# Allegro board reComputer Industrial J201_V1.2.brd (continued)
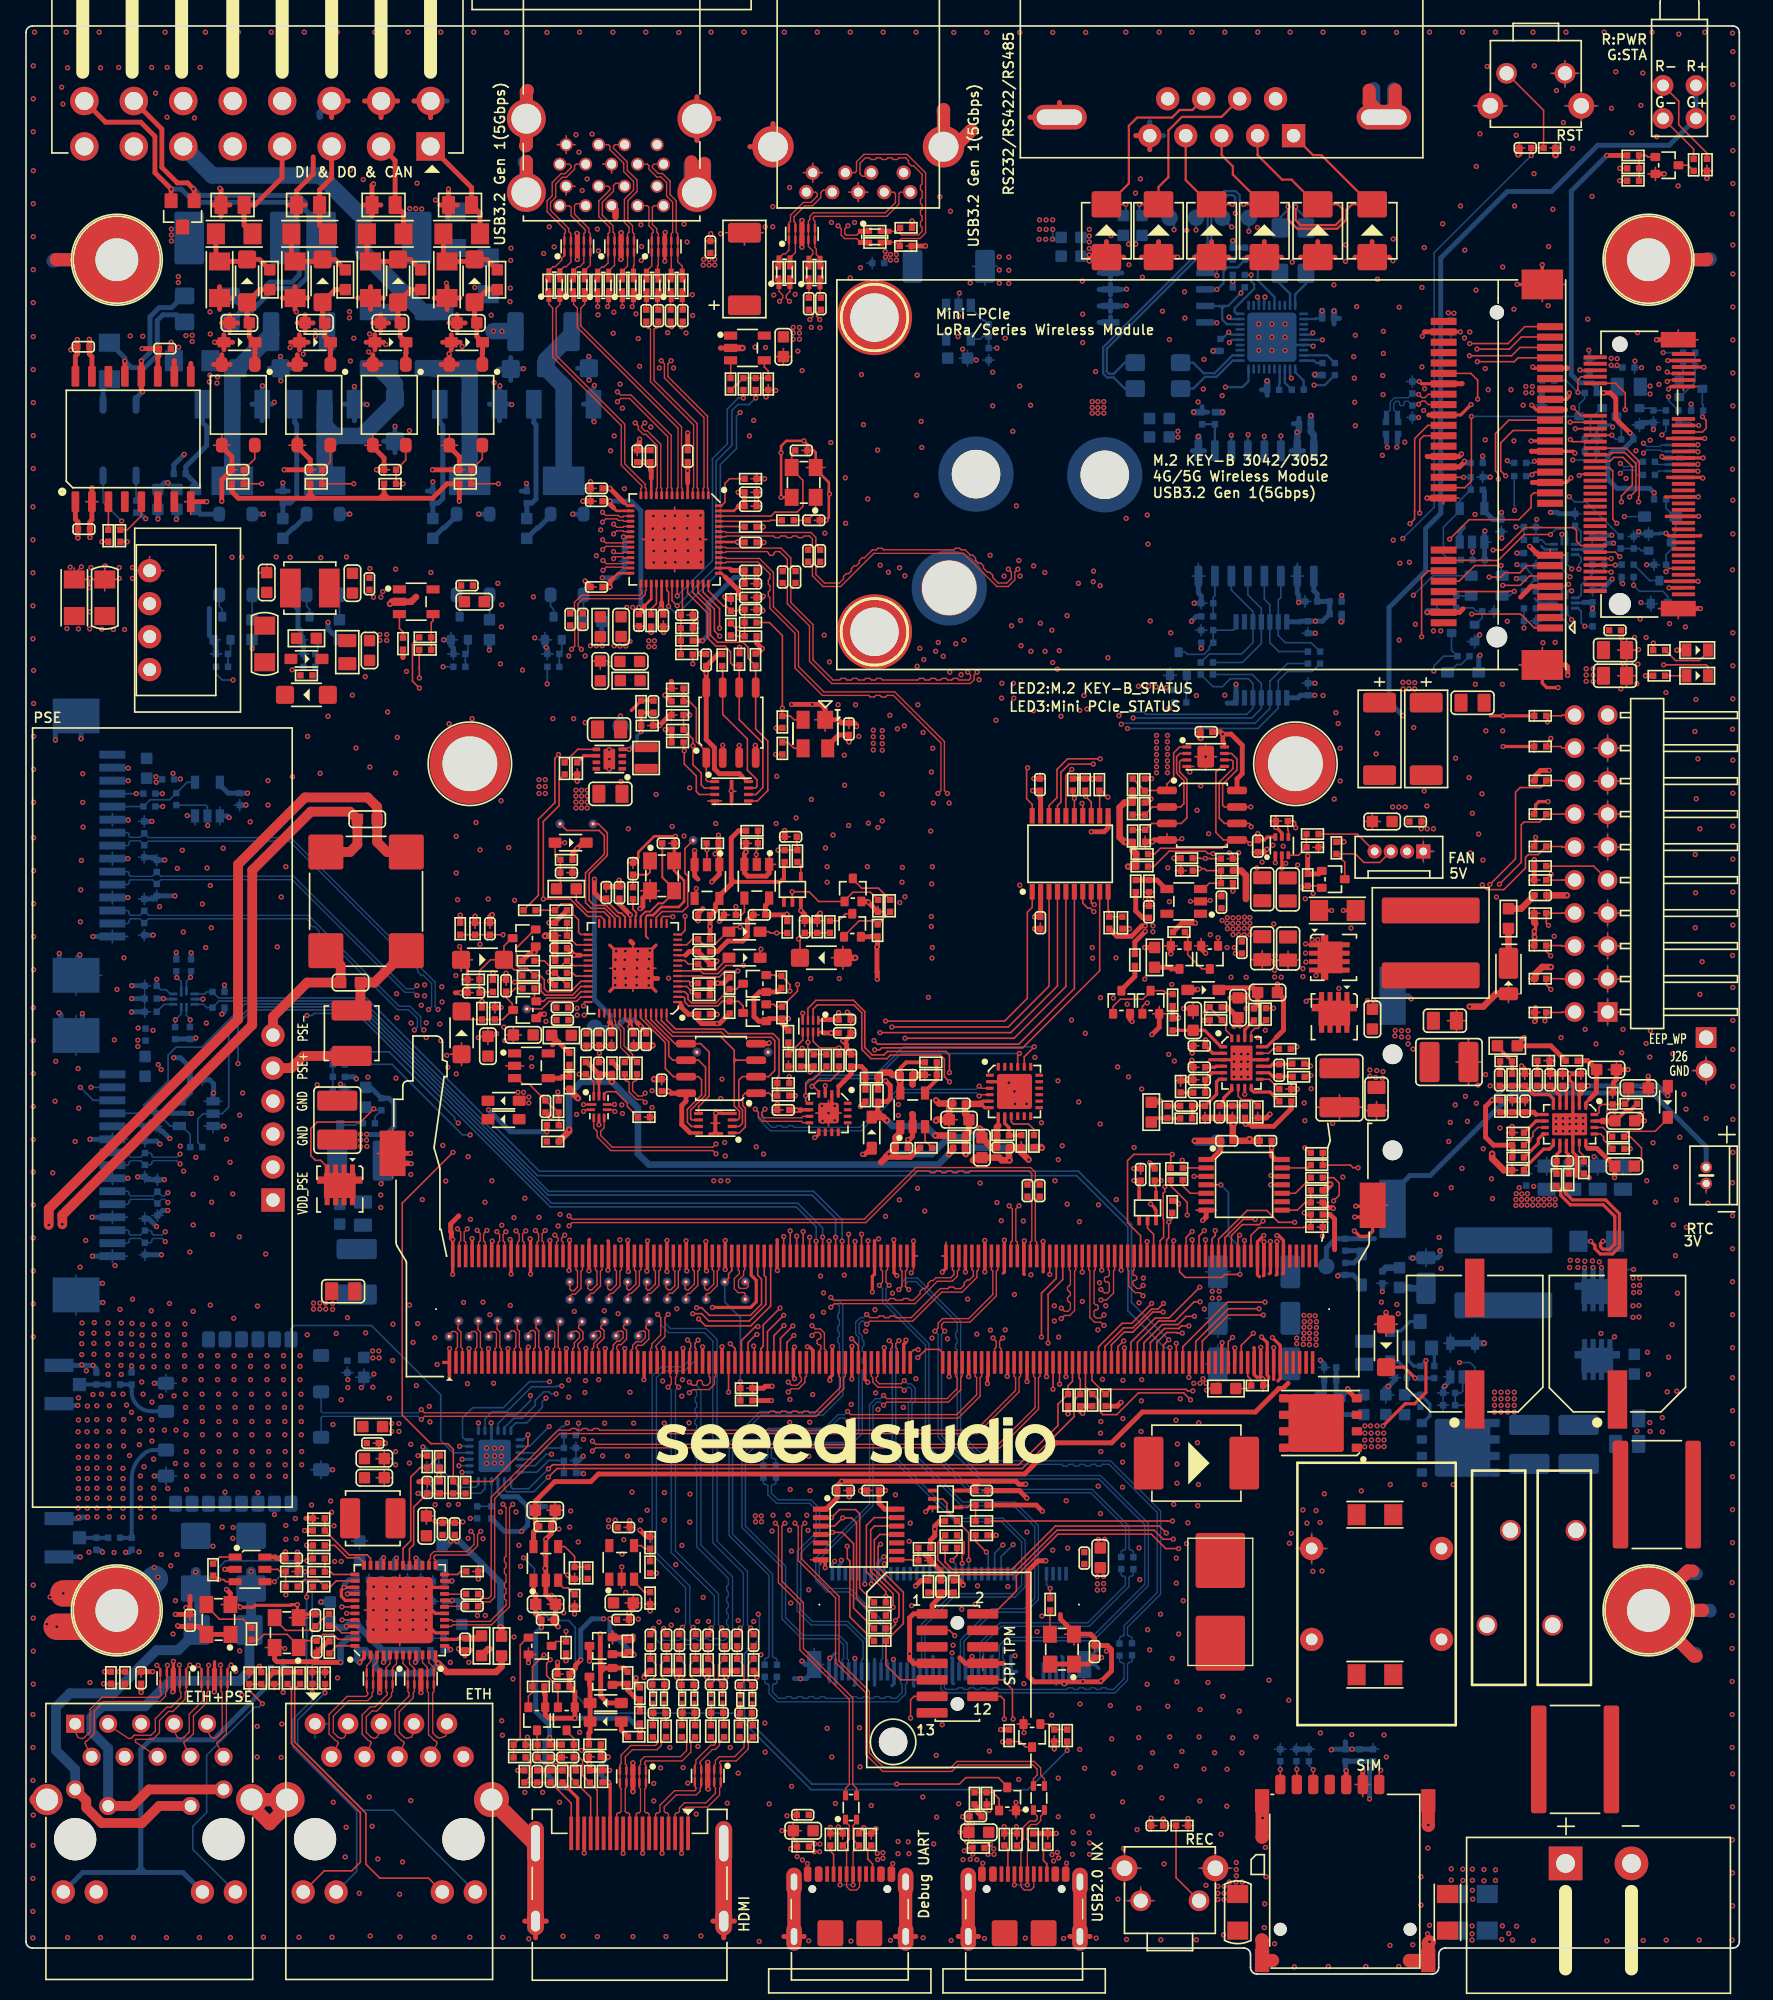
[diagram p0: board, top side]
## Footprints (pads in the part's own frame, mm; a bottom-side part is the same pattern mirrored in y, then rotated) (continued)
SOD_123
  rrect 1.397x1.397 smd: 1(-1.651,0) 2(1.651,0)
SOD_323
  rrect 1x0.8 smd: 1(-1.2,0) 2(1.2,0)
SOIC8_1D27_4_9X3_9MM
  rrect 0.6x1.55 smd: 1(-1.905,-2.7) 2(-0.635,-2.7) 3(0.635,-2.7) 4(1.905,-2.7) 5(1.905,2.7) 6(0.635,2.7) 7(-0.635,2.7) 8(-1.905,2.7)
SOIC16_1R27_10R3X7R5MM
  rrect 0.6x1.6 smd: 1(-4.445,-4.825) 2(-3.175,-4.825) 3(-1.905,-4.825) 4(-0.635,-4.825) 5(0.635,-4.825) 6(1.905,-4.825) 7(3.175,-4.825) 8(4.445,-4.825) 9(4.445,4.825) 10(3.175,4.825) 11(1.905,4.825) 12(0.635,4.825) 13(-0.635,4.825) 14(-1.905,4.825) 15(-3.175,4.825) 16(-4.445,4.825)
SON8P_1D27_5X6X1MM
  rrect 0.8x0.65 smd: 1(-2.802,1.905) 2(-2.802,0.635) 3(-2.802,-0.635) 4(-2.802,-1.905) 5(2.802,-1.905) 6(2.802,-0.635) 7(2.802,0.635) 8(2.802,1.905)
  rrect 4.27x4.46 smd: 9(0.337,0)
SOP4-2_54MM
  rrect 0.91x1.14 smd: 1(-1.27,-3.11) 2(1.27,-3.11) 3(1.27,3.11) 4(-1.27,3.11)
SOP4-2_54MM-S
  oval 0.55x1.45 smd: 1(-1.27,-2.75) 2(1.27,-2.75) 3(1.27,2.75) 4(-1.27,2.75)
SOT6
  rrect 0.6x0.3 smd: 1(-0.74,0.5) 2(-0.74,0) 3(-0.74,-0.5) 4(0.66,-0.5) 5(0.66,0) 6(0.66,0.5)
SOT23
  rrect 1.016x1.143 smd: 1(-0.889,-1.016) 2(0.889,-1.016) 3(0,1.016)
SOT23-5
  rect 0.635x1.016 smd: 1(-0.953,-1.295) 2(0,-1.295) 3(0.953,-1.295) 4(0.953,1.295) 5(-0.953,1.295)
SOT23_6
  rrect 0.55x1.016 smd: 1(-0.95,-1.143) 2(0,-1.143) 3(0.95,-1.143) 4(0.95,1.143) 5(0,1.143) 6(-0.95,1.143)
SOT223_4
  rect 2.2x1.2 smd: 1(-2.95,2.3) 2(-2.95,0) 3(-2.95,-2.3)
  rect 2.2x3.2 smd: 4(2.95,0)
SOT353
  rrect 0.3x0.7 smd: 1(-0.65,-1) 2(0,-1) 3(0.65,-1) 4(0.65,1) 5(-0.65,1)
SOT-323-3
  rrect 0.635x0.762 smd: 1(-0.635,-0.889) 2(0.665,-0.889) 3(0,0.889)
SOT_143
  rect 1.219x1.397 smd: 1(-0.75,-1.1)
  rect 1.016x1.397 smd: 2(0.95,-1.1) 3(0.95,1.1) 4(-0.95,1.1)
SW8P_1D27_6_68X5_4X2_3MM
  rrect 1.4x0.5 smd: 1(-3.65,1.905) 2(-3.65,0.635) 3(-3.65,-0.635) 4(-3.65,-1.905) 5(3.65,-1.905) 6(3.65,-0.635) 7(3.65,0.635) 8(3.65,1.905)
SWITCH4-8X7X7MM
  round 1.6 hole 1.1: 1(-2.25,0.15) 2(2.25,0.15)
  round 2 hole 1.2: 3(-3.5,-2.35) 4(3.5,-2.35)
TERMINAL_2P_5D08
  rect 2.6x2.6 hole 1.45: 1(-2.54,0)
  round 2.6 hole 1.45: 2(2.54,0)
TERMINAL_2X8P_3D81
  rect 2.2x2.2 hole 1.4: 1(-13.335,0)
  round 2.2 hole 1.4: 2(-13.335,-3.5) 3(-9.525,0) 4(-9.525,-3.5) 5(-5.715,0) 6(-5.715,-3.5) 7(-1.905,0) 8(-1.905,-3.5) 9(1.905,0) 10(1.905,-3.5) 11(5.715,0) 12(5.715,-3.5) 13(9.525,0) 14(9.525,-3.5) 15(13.335,0) 16(13.335,-3.5)
TP28C8D
  round 0.45 hole 0.2: 1(0,0)
TP60C_SMD
  round 1.27 smd: 1(0,0)
TSSOP14_0D65_5X4D4X1D2MM
  rrect 0.4x1.2 smd: 1(-1.95,-2.925) 2(-1.3,-2.925) 3(-0.65,-2.925) 4(0,-2.925) 5(0.65,-2.925) 6(1.3,-2.925) 7(1.95,-2.925) 8(1.95,2.925) 9(1.3,2.925) 10(0.65,2.925) 11(0,2.925) 12(-0.65,2.925) 13(-1.3,2.925) 14(-1.95,2.925)
TSSOP20-0_65-6_5X4_4X1MM
  rrect 0.4x1.2 smd: 1(-2.925,-2.925) 2(-2.275,-2.925) 3(-1.625,-2.925) 4(-0.975,-2.925) 5(-0.325,-2.925) 6(0.325,-2.925) 7(0.975,-2.925) 8(1.625,-2.925) 9(2.275,-2.925) 10(2.925,-2.925) 11(2.925,2.925) 12(2.275,2.925) 13(1.625,2.925) 14(0.975,2.925) 15(0.325,2.925) 16(-0.325,2.925) 17(-0.975,2.925) 18(-1.625,2.925) 19(-2.275,2.925) 20(-2.925,2.925)
U-FL3P-SMD-2_6X2_6X1_0MM
  rect 1.016x1.016 smd: 1(1.575,0)
  rect 2.235x1.016 smd: 2(0,1.475) 3(0,-1.475)
UDFN8_0D5_2X3X0_6MM
  rrect 0.25x0.7 smd: 1(-0.75,-1.45) 2(-0.25,-1.45) 3(0.25,-1.45) 4(0.75,-1.45) 5(0.75,1.45) 6(0.25,1.45) 7(-0.25,1.45) 8(-0.75,1.45)
  rrect 1.7x1.3 smd: 9(0,0)
unnamed#2
  round 2.2 hole 2.2 unplated: (0,0)
USB2_0_TYPE_C_LONG
  round 0.6 hole 0.6 unplated: (-1.1,2.89) (-1.1,-2.89)
  rrect 1.2x0.3 smd: A5(0.05,1.25) A6(0.05,0.25) A7(0.05,-0.25) A8(0.05,-1.25) B5(0.05,-1.75) B6(0.05,-0.75) B7(0.05,0.75) B8(0.05,1.75)
  rrect 1.2x0.6 smd: B1(0.05,-3.2) B4(0.05,-2.4) B9(0.05,2.4) B12(0.05,3.25)
  oval 2.2x1.2 hole 1.3x0.5: S1(-4.75,4.3) S2(-0.55,4.3) S3(-4.75,-4.3) S4(-0.55,-4.3)
  rrect 2x2 smd: S5(-4.5,1.5) S6(-4.5,-1.5)
USB3_1_2D0_17_5X13_6X15_69MM
  round 1 hole 0.7: 1(-3.5,2) 2(-1,2) 3(1,2) 4(3.5,2) 5(4,3.5) 6(2,3.5) 7(0,3.5) 8(-2,3.5) 9(-4,3.5) 10(-3.5,5.2) 11(-1,5.2) 12(1,5.2) 13(3.5,5.2) 14(4,6.7) 15(2,6.7) 16(0,6.7) 17(-2,6.7) 18(-4,6.7)
  round 3 hole 2.3: 19(-6.57,5.68) 20(-6.57,0) 21(6.57,0) 22(6.57,5.68)
USB8P_16D5X12D5X12MM
  round 1.1 hole 0.7: 1(3.5,-5.53) 2(1,-5.53) 3(-1,-5.53) 4(-3.5,-5.53) 5(-4,-7.03) 6(-2,-7.03) 7(0,-7.03) 8(2,-7.03) 9(4,-7.03)
  round 3.2 hole 2.3: 10(-6.57,-3.53) 11(6.57,-3.53)
USON8_0D5_3X2X0_6MM
  rrect 0.25x0.7 smd: 1(-0.75,-1.3) 2(-0.25,-1.3) 3(0.25,-1.3) 4(0.75,-1.3) 5(0.75,1.3) 6(0.25,1.3) 7(-0.25,1.3) 8(-0.75,1.3)
  rrect 1.75x0.3 smd: 9(0,0)
USON10_0D5_2D5X1X0D5MM
  oval 0.2x0.7 smd: 1(-1,-0.45) 2(-0.5,-0.45) 4(0.5,-0.45) 5(1,-0.45) 6(1,0.45) 7(0.5,0.45) 9(-0.5,0.45) 10(-1,0.45)
  rrect 0.4x0.7 smd: 3(0,-0.45) 8(0,0.45)
VQFN24_0D5_4X4X1MM
  oval 0.7x0.24 smd: 1(-1.95,1.25) 2(-1.95,0.75) 3(-1.95,0.25) 4(-1.95,-0.25) 5(-1.95,-0.75) 6(-1.95,-1.25) 13(1.95,-1.25) 14(1.95,-0.75) 15(1.95,-0.25) 16(1.95,0.25) 17(1.95,0.75) 18(1.95,1.25)
  oval 0.24x0.7 smd: 7(-1.25,-1.95) 8(-0.75,-1.95) 9(-0.25,-1.95) 10(0.25,-1.95) 11(0.75,-1.95) 12(1.25,-1.95) 19(1.25,1.95) 20(0.75,1.95) 21(0.25,1.95) 22(-0.25,1.95) 23(-0.75,1.95) 24(-1.25,1.95)
  rrect 2.5x2.5 smd: 25(0,0)
VQFN56_0D4_7X7X1MM
  rrect 0.6x0.23 smd: 1(-3.4,2.6) 2(-3.4,2.2) 3(-3.4,1.8) 4(-3.4,1.4) 5(-3.4,1) 6(-3.4,0.6) 7(-3.4,0.2) 8(-3.4,-0.2) 9(-3.4,-0.6) 10(-3.4,-1) 11(-3.4,-1.4) 12(-3.4,-1.8) 13(-3.4,-2.2) 14(-3.4,-2.6) 29(3.4,-2.6) 30(3.4,-2.2) 31(3.4,-1.8) 32(3.4,-1.4) 33(3.4,-1) 34(3.4,-0.6) 35(3.4,-0.2) 36(3.4,0.2) 37(3.4,0.6) 38(3.4,1) 39(3.4,1.4) 40(3.4,1.8) 41(3.4,2.2) 42(3.4,2.6)
  rrect 0.23x0.6 smd: 15(-2.6,-3.4) 16(-2.2,-3.4) 17(-1.8,-3.4) 18(-1.4,-3.4) 19(-1,-3.4) 20(-0.6,-3.4) 21(-0.2,-3.4) 22(0.2,-3.4) 23(0.6,-3.4) 24(1,-3.4) 25(1.4,-3.4) 26(1.8,-3.4) 27(2.2,-3.4) 28(2.6,-3.4) 43(2.6,3.4) 44(2.2,3.4) 45(1.8,3.4) 46(1.4,3.4) 47(1,3.4) 48(0.6,3.4) 49(0.2,3.4) 50(-0.2,3.4) 51(-0.6,3.4) 52(-1,3.4) 53(-1.4,3.4) 54(-1.8,3.4) 55(-2.2,3.4) 56(-2.6,3.4)
  rrect 4.6x4.6 smd: 57(0,0)
WQFN10_0D4_1_8X1_4X0_75MM
  rect 0.22x0.75 smd: 1(-0.2,-0.575)
  rect 0.22x0.65 smd: 2(0.2,-0.625) 6(0.2,0.625) 7(-0.2,0.625)
  rect 0.65x0.22 smd: 3(0.825,-0.4) 4(0.825,0) 5(0.825,0.4) 8(-0.825,0.4) 9(-0.825,0) 10(-0.825,-0.4)
X2SON8_0D4_1_8X1_2X0_4MM
  rrect 0.2x0.7 smd: 1(-0.6,-0.45) 2(-0.2,-0.45) 3(0.2,-0.45) 4(0.6,-0.45) 5(0.6,0.45) 6(0.2,0.45) 7(-0.2,0.45) 8(-0.6,0.45)
X4-SMD-3_2X2_5X1_0MM
  rect 1.321x1.067 smd: 1(-1.15,-0.925) 2(1.15,-0.925) 3(1.15,0.925) 4(-1.15,0.925)

## Nets
1V1_MCU: C79.1 C107.1 C109.1 TP49.1(TP) U23.23 U23.45(VREG_VOUT) U23.50
3V3_LDO: C106.1 FB4.1 R151.1 U26.5(OUT)
3V3_LDO_EN: C132.1 R177.2 R189.2 U26.3
3V3_LS_VCC: C105.1 D94.2(C) R156.1 R418.1 R419.2 R420.2 U24.8(VCCB)
3V3_MCU: C80.1 C84.1 C90.1 C93.1 C98.1 C100.1 C104.1 C108.1 C110.1 C111.1 C121.1 D26.2(C) FB4.2 J8.19 Q9.1 Q14.1 R87.1 R97.1 R100.1 R111.1 R117.2 R126.1 R128.2 R130.1 R135.1 R136.1 R137.1 R140.1 R142.1 R175.1 U20.5 U21.5 U23.1 U23.10 U23.22 U23.33 U23.42 U23.43 U23.44 U23.48 U23.49 U27.8 U28.8
3V3_MCU_FB: R151.2 R168.1 U26.4
3V3_UART: C290.1 R167.1 R414.1 R417.1 R419.1 U52.5(OUT)
3V3_UART_FB: R414.2 R415.1 U52.4
3V3_USB_SWITCH: C117.1 R159.1 R284.1 R417.2 R422.2 U29.9(VCC)
5V_ISO: C14.1 C60.1 C292.1 D19.2(C) R64.2 R68.1 R71.1 R301.1 R405.1 U7.11(VCC2_2) U7.16
12V_DI_1_R: C13.1 D14.1 D18.2(C) Q5.1 R27.2
12V_DI_2_R: C12.1 D13.1 D17.2(C) Q4.1 R25.2
12V_DI_3_R: C11.1 D12.1 D16.2(C) Q3.1 R23.2
12V_DI_4_R: C10.1 D11.1 D15.2(C) Q2.1 R21.2
AVDD12_1V2: C275.1 C279.1 C280.1 FB10.1 U38.4 U38.9 U38.45
AVDDH_2V5: C278.1 C281.1 FB8.1 U38.1 U38.12
GND: C1.2 C2.2 C3.2 C15.2 C17.2 C18.2 C19.2 C20.2 C21.2 C22.2 C23.2 C24.2 C25.2 C26.2 C27.2 C28.2 C29.2 C30.2 C31.2 C34.2 C37.2 C38.2 C39.2 C40.2 C41.2 C42.2 C45.2 C46.2 C47.2 C48.2 C49.2 C50.2 C51.2 C52.1 C53.2 C54.2 C55.2 C56.2 C57.2 C58.2 C61.2 C63.2 C64.2 C65.2 C66.2 C67.2 C68.2 C69.2 C70.2 C71.2 C72.2 C73.2 C74.1 C75.2 C76.2 C77.2 C78.2 C79.2 C80.2 C81.2 C82.2 C83.2 C84.2 C85.2 C86.1 C87.2 C88.2 C89.2 C90.2 C91.2 C92.2 C93.2 C94.2 C96.2 C97.2 C98.2 C99.2 C100.2 C101.2 C102.2 C103.2 C104.2 C105.2 C106.2 C107.2 C108.2 C109.2 C110.2 C111.2 C112.2 C113.2 C114.2 C115.2 C116.2 C117.2 C119.2 C120.2 C121.2 C122.2 C126.2 C127.2 C128.2 C129.2 C130.2 C132.2 C133.2 C134.2 C135.2 C136.2 C137.2 C139.2 C140.1 C146.1 C147.2 C148.2 C149.2 C150.2 C151.1 C152.2 C153.2 C154.2 C155.2 C156.2 C157.2 C158.2 C159.2 C160.2 C161.2 C162.2 C163.2 C164.2 C167.2 C168.2 C169.2 C178.2 C179.2 C180.2 C181.2 C182.2 C183.2 C184.2 C193.2 C194.2 C195.2 C196.2 C197.2 C198.2 C199.2 C200.2 C201.2 C202.2 C203.2 C204.2 C206.2 C207.2 C208.2 C211.2 C214.2 C218.2 C219.2 C220.2 C221.2 C222.2 C223.2 C224.2 C225.2 C226.1 C227.2 C228.2 C229.2 C230.2 C231.2 C232.2 C233.2 C234.2 C235.2 C236.2 C237.2 C238.2 C239.2 C240.2 C241.2 C242.2 C243.2 C244.2 C245.2 C246.2 C249.2 C251.2 C252.2 C253.1 C254.2 C255.2 C256.2 C257.2 C260.2 C262.1 C263.1 C266.2 C267.2 C268.2 C269.2 C270.2 C271.2 C272.2 C273.2 C274.2 C275.2 C278.2 C279.2 C280.2 C281.2 C282.2 C285.2 C286.2 C287.1 C289.2 C290.2 C291.2 C293.2 C294.2 C295.2 C296.2 C297.2 C298.1 C299.1 C300.2 C301.2 C302.2 C305.2 D1.1 D3.1 D10.1 D20.1 D22.1 D23.1 D24.1 D25.1 D27.1 D28.1 D30.1 D32.1 D33.1 D34.1 D35.1 D37.1 D38.1 D42.1 D43.1 D44.1 D45.1 D46.1 D49.1 D50.1 D51.1 D52.1 D53.1 D54.1 D55.1 D56.1 D57.1 D58.1 D59.1 D60.1 D65.1 D66.1 D71.1 D72.1 D73.1 D74.1 D75.1 D76.1 D77.1 D78.1 D79.1 D80.1 D81.1 D82.1 D83.1 D84.1 D85.1 D86.1 D88.1 D90.1 D91.1 D92.1 D93.1 D96.1 D97.1 D98.1 D99.1 D100.1 J3.4 J3.7 J4.4 J4.7 J4.13 J4.16 J5.4 J5.9 J5.15 J5.18 J5.21 J5.26 J5.27 J5.29 J5.34 J5.35 J5.37 J5.40 J5.43 J5.50 J5.53 J5.54 J6.3 J6.5 J6.11 J6.27 J6.33 J6.39 J6.45 J6.51 J6.57 J6.71 J6.73 J6.76 J6.77 J7.1 J8.1 J8.3 J8.5 J8.7 J8.11 J8.13 J8.15 J8.17 J9.1 J9.2 J9.7 J9.8 J9.13 J9.14 J9.19 J9.20 J9.25 J9.26 J9.31 J9.32 J9.37 J9.38 J9.43 J9.44 J9.49 J9.50 J9.55 J9.56 J9.61 J9.62 J9.67 J9.68 J9.73 J9.74 J9.79 J9.80 J9.85 J9.86 J9.102 J9.107 J9.113 J9.119 J9.125 J9.129 J9.132 J9.135 J9.138 J9.141 J9.144 J9.146 J9.147 J9.152 J9.153 J9.158 J9.159 J9.164 J9.165 J9.170 J9.171 J9.176 J9.177 J9.200 J9.201 J9.231 J9.241 J9.242 J9.243 J9.244 J9.245 J9.246 J9.247 J9.248 J9.249 J9.250 J9.261 J9.262 J11.8 J12.1 J14.1 J15.C6 J16.2 J16.5 J16.8 J16.11 J16.17 J18.B1 J18.B12 J19.B1 J19.B12 J20.1 J20.4 J20.7 J20.10 J20.16 J20.17 J21.1 J21.3 J21.9 J21.15 J21.21 J21.27 J21.33 J21.39 J21.45 J21.51 J21.57 J21.71 J21.73 J21.75 J21.76 J21.77 J22.1(BAT-) J23.1 J23.4 J23.7 J23.10 J23.16 J23.17 J24.2 J24.3(SHIELD2) J25.2 J25.3(SHIELD2) J26.2 L14.3 L34.1 MH3.1(NC) MH4.1(NC) MH5.1(NC) MH6.1(NC) MH9.1(NC) MH10.1(NC) MH11.1(NC) OSC1.2 OSC2.2 Q1.2(S) Q2.3(EMITTER) Q3.3(EMITTER) Q4.3(EMITTER) Q5.3(EMITTER) Q7.2(S) Q10.2(S) Q11.2(S) Q12.1 Q12.2 Q12.3 Q18.2(EMITTER) Q19.2(S) Q23.2(EMITTER) Q24.2(S) Q25.2(S) Q26.2(S) Q32.2(S) Q33.2(S) Q38.2(S) Q39.2(S) Q40.2(S) Q41.2(S) Q42.2(S) Q43.1 Q43.2 Q43.3 Q48.2(S) Q49.2(S) Q50.2(S) Q51.2(S) Q52.2(S) R2.2 R43.2 R49.2 R54.2 R56.1 R60.2 R66.2 R72.2 R74.2 R78.2 R83.2 R85.2 R86.2 R88.2 R91.2 R92.2 R94.2 R98.2 R101.2 R106.2 R109.2 R113.2 R116.1 R118.2 R122.2 R125.2 R129.2 R133.2 R145.2 R148.2 R155.2 R160.2 R163.2 R168.2 R170.2 R171.2 R174.2 R178.2 R180.2 R181.2 R182.2 R188.2 R190.2 R197.2 R207.2 R215.2 R222.2 R224.2 R226.2 R230.2 R231.2 R233.2 R236.2 R240.2 R243.2 R257.2 R272.2 R274.2 R275.2 R276.2 R277.2 R281.1 R282.1 R285.2 R289.2 R291.2 R292.2 R297.2 R305.2 R316.2 R319.1 R326.2 R330.1 R335.1 R344.2 R346.2 R347.2 R348.2 R349.2 R360.2 R363.2 R369.2 R372.2 R374.1 R378.2 R379.2 R381.2 R383.2 R387.1 R388.1 R396.2 R397.1 R406.1 R408.2 R415.2 R424.2 R428.1 R430.1 R435.2 R440.2 R448.2 SW1.2 SW1.3 SW1.4(B2) SW2.2 SW2.3 SW2.4(B2) U1.3 U1.8 U2.3 U2.8 U3.3 U3.8 U4.3 U4.8 U5.2 U7.2 U7.8 U8.57 U9.2 U10.1 U11.4 U12.4 U12.9 U13.1 U14.1 U14.3 U14.9 U15.4 U15.9 U16.4 U17.2 U17.5 U18.11 U19.1 U19.3 U20.1 U20.3 U21.3 U22.2 U23.19 U23.57 U24.4 U25.3 U25.14 U25.21 U26.2 U27.4 U27.9 U28.4 U29.4 U30.2 U30.17 U31.3 U31.14 U31.21 U32.3 U32.8 U33.3 U34.3 U35.2 U36.2 U37.2(VSS) U38.15 U38.18 U38.22 U38.49(VSS(EPAD)) U39.3 U39.8 U40.3 U40.8 U41.2 U43.3 U43.8 U44.2 U44.8 U45.4 U46.4 U47.7 U48.4 U49.3 U49.4 U49.5 U50.1 U50.4 U50.14 U51.9 U51.25 U52.2 U53.1 U53.3 U54.2 U54.25 U55.1 U55.3 U56.1 U56.3 U57.7 U58.7 U59.3 U59.8 U60.3 U60.8 U61.3 U61.8 X1.2 X1.4 X2.2 X2.4 X3.2 X3.4
GND_DI: C10.2 C11.2 C12.2 C13.2 D15.1 D16.1 D17.1 D18.1 J2.2 J2.4 J2.6 Q2.2 Q3.2 Q4.2 Q5.2 R6.2 R7.2 R8.2 R9.2 R20.2 R22.2 R24.2 R26.2 R281.2
GND_DO: D61.1 D62.1 D63.1 D64.1 J2.8 J2.10 Q28.3(EMITTER) Q29.3(EMITTER) Q30.3(EMITTER) Q31.3(EMITTER) R311.2 R312.2 R313.2 R314.2 R406.2 R407.2
GND_ISO: C14.2 C52.2 C60.2 C292.2 D2.3 D21.1 D68.1 D95.1 J2.12 R56.2 R68.2 R280.1 R407.1 U7.9 U7.10 U7.15 U10.3(VOUT-)
GND_PSE: C138.2 C145.2 J10.3 J10.4(VIN-#4) L34.2
GND_SHD: C253.2 C287.2 D103.1 D104.1 G1.1 J1.10 J1.11(G2) J3.10 J3.11 J4.19 J4.20 J4.21 J4.22 J13.19 J13.20 J14.15 J14.16 J15.G1 J15.G2 J15.G3 J15.G4 J16.20 J16.21 J16.22 J16.23 J18.S1 J18.S2 J18.S3 J18.S4 J18.S5 J18.S6 J19.S1 J19.S2 J19.S3 J19.S4 J19.S5 J19.S6 MH1.1(NC) MH2.1(NC) MH7.1(NC) MH8.1(NC) R374.2 R387.2
VBUS_A_EN: R40.2 R41.2 R42.2 R440.1 U5.4
VBUSDET: C41.1 R54.1 R58.2 R286.2 U8.37
VCC1_5V_DC1: C128.1 D40.1 R187.1 R192.1 R194.2 U31.2
VCC1_5V_DC2: C112.1 D36.1 R104.1 R176.2 R179.1 U25.2
VCC2_DC1: C120.1 R164.2 U31.1(VCC2)
VCC2_DC2: C103.1 R149.2 U25.1(VCC2)
VDD12_SW_OUT: C270.1 C273.1 C282.1 FB6.2 FB7.2 FB10.2 FB11.2 U38.13 U38.31 U38.40
VDD25_REG_OUT: C157.1 C158.1 C159.1 FB8.2 FB9.2 U38.27
VDD_1V2: C57.1 C62.1 C64.1 FB2.1 L11.2 R70.1 TP46.1(TP)
VDD_1V2_FB: C62.2 R70.2 R74.1 U14.4
VDD_1V2_HUB: C18.1 C19.1 C20.1 C25.1 C31.1 C38.1 C39.1 C48.1 C56.1 C220.1 FB2.2 U8.5 U8.12 U8.15 U8.21 U8.28 U8.33 U8.43 U8.49
VDD_1V8: C67.1 C74.2 C83.1 C86.2 C102.1 C140.2 C151.2 C229.1 C298.2 C299.2 D101.1 Q6.1 Q13.1 Q15.1 R1.1 R44.1 R45.1 R46.1 R47.1 R82.1 R84.1 R89.1 R95.1 R99.1 R103.1 R105.1 R115.1 R134.1 R143.1 R154.2 R213.1 R242.1 R294.1 R295.1 R306.1 R317.1 R331.1 R337.1 R345.1 R399.1 R427.1 R429.1 R433.1 R437.1 R443.1 R447.1 TP47.1(TP) U15.8 U16.8 U17.6(VCCB) U18.2 U22.5(OUT) U24.1 U33.5 U34.5 U47.1 U57.1 U58.1
VDD_1V8_5V: C225.1 C228.1 R334.2 R337.2 R338.1 U44.1 U47.14(VCCB)
VDD_1V8_DISCHG: Q51.3 R443.2
VDD_1V8_FB: R105.2 R106.1 U22.4
VDD_3V3_DISCHG: Q10.3 R127.2
VDD_3V3_HDMI: C163.1 C167.1 C182.1 Q19.1 Q21.1 Q22.1 R225.1 R240.1 R255.1 R256.1 R258.1 R398.2 U35.1(OUT)
VDD_3V3_HUB: C26.1 C27.1 C28.1 C34.1 C37.1 C47.1 C50.1 FB1.2 R58.1 U8.16 U8.31 U8.44 U8.55
VDD_3V3_SYS: C30.1 C51.1 C54.1 C55.1 C58.1 C61.1 C63.1 C65.1 C66.1 C68.1 C77.1 C78.1 C82.1 C89.1 C91.1 C92.1 C156.1 C160.1 C161.1 C162.1 C178.1 C179.1 C183.1 C206.1 C208.1 C211.1 C214.1 C221.1 C224.1 C226.2 C230.1 C231.1 C232.1 C243.1 C244.1 C260.1 C266.1 C267.1 C268.1 C269.1 C271.1 C293.1 C296.1 C297.1 C300.1 C301.1 D94.1 D100.2 FB1.1 FB12.1 FB13.1 J5.2 J5.39 J5.41 J5.52 J6.2 J6.4 J6.70 J6.72 J6.74 J13.15 J13.17 J21.2 J21.4 J21.12 J21.14 J21.16 J21.18 J21.70 J21.72 J21.74 LED2.1 OSC1.1 OSC1.4(VDD) OSC2.1 OSC2.4(VDD) R52.2 R57.1 R61.1 R62.1 R65.2 R69.1 R73.1 R75.1 R79.1 R80.1 R81.1 R102.1 R112.2 R121.1 R127.1 R166.1 R183.1 R195.1 R203.1 R204.1 R205.1 R206.1 R208.1 R209.1 R212.1 R217.1 R219.2 R270.2 R271.2 R293.1 R309.2 R318.1 R325.1 R339.2 R340.1 R341.1 R342.1 R343.1 R358.1 R359.1 R361.1 R362.1 R364.1 R365.1 R380.1 R382.1 R384.1 R385.1 R395.1 R404.1 R412.1 R432.1 R445.1 U7.1 U11.8 U12.8 U13.4(VCC) U18.19(VCCB) U22.1 U35.5 U37.6 U38.28 U38.33 U38.39 U38.41 U45.9(VCC) U46.9(VCC) U48.9(VCC) U50.11 U51.21(VCC) U53.5 U55.5 U56.5 U57.14(VCCB) U58.14(VCCB)
VDD_5V0_HDMI_CON: C164.1 C168.1 D50.2 J16.18 R268.1 R269.1 U36.1(OUT)
VDD_5V_BUS: C45.1 C46.1 L10.1 R304.1 R334.1 U9.1(OUT)
VDD_5V_SYS: C15.1 C49.1 C53.1 C69.1 C70.1 C71.1 C85.1 C154.1 C155.1 C207.1 C233.1 C234.1 C235.1 C236.1 C237.1 C238.1 C240.1 C242.1 D39.1 J7.2 J9.251 J9.252 J9.253 J9.254 J9.255 J9.256 J9.257 J9.258 J9.259 J9.260 LED1.1 LED1.3 R93.1 R120.1 R124.1 R138.1 R149.1 R157.1 R164.1 R199.1 R201.1 R366.2 R442.1 U5.5 U9.5 U14.7 U14.8 U17.1 U19.5 U36.5 U41.5
VDD_DCIN: C97.1 C99.1 C101.1 C114.1 C122.1 C129.1 C136.1 C147.1 C148.1 C252.1 C254.1 C255.1 C256.1 C257.1 C288.1 C289.1 Q8.2(S) Q16.5 Q45.5 Q46.5 Q46.6 Q46.7 Q46.8 Q46.9 Q47.1 Q47.2 Q47.3(S3) R123.2 R141.1 R144.1 R185.1 R377.1 R410.1 U25.19 U31.19
VDD_DO: Q34.4 Q35.4 Q36.4 Q37.4 R404.2 R405.2
VDD_PSE: C138.1 C145.1 J10.1 J10.2 L31.2
VDD_SIM: C285.1 C286.1 D90.2 J15.C5 R328.2 R332.1
VDD_TPM: C146.2 J11.1 J11.7 R432.2 R433.2 R438.1
VDD_VBUS_A: C2.1 C3.1 J4.1 J4.10(VBUS_1) U5.1(OUT)
VDD_VBUS_B: C203.1 C204.1 J3.1(VBUS) U41.1(OUT)
VIN_5V: C42.1 C59.1 L10.2 U10.2
5V_RS232/422/485: C205.2 C215.1 R299.2 R301.2 R304.2 R390.1 R391.1 R392.1 R393.1 R394.1 U42.2 U42.6(VCC#6) U44.16(VCCB)
422_RX(B): L28.1 U42.22
422_RX-: D6.2 J1.4 L28.4
422_TX(B): L26.2 U42.39
422_TX-: D9.2 J1.1 L26.3
1302_RST: C218.1 J5.22 R315.1 R325.2 U53.4(Y)
ADC0: C96.1 D33.2(C) Q9.3 R132.2 R133.1 R138.2
ADC2: C94.1 D38.2(C) Q14.3 R139.2 R144.2 R145.1
AUTO_ON_DIS: J8.9 R397.2
BBAT: D87.2(C) J9.235 R367.1
BBAT_CONN: J12.2 J22.2 R444.2 TP48.1(TP)
BG1: R196.1 U31.15
BG2: R150.1 U25.15
BG_DC1: Q43.4(G) R196.2
BG_DC2: Q12.4(G) R150.2
BMCU_ACOK: C72.1 D27.2 J8.10 R96.1 R97.2 U23.14
BMCU_PGOOD: R110.1 R111.2 U23.29
BMCU_POWER_EN: R87.2 R91.1 U19.2 U23.16
BMCU_PWR_BTN*: D31.1 R130.2 U23.9
BRD_ID_A0: R82.2 R83.1 U15.1 U16.1
BRD_ID_A1: R84.2 R85.1 U15.2 U16.2
BRD_ID_A2: R88.1 R89.2 U15.3 U16.3
BRD_ID_WP: J26.1 R98.1 R437.2 U15.7(WP) U16.7(WP)
BST1: R191.1 U31.18
BST2: R147.1 U25.18
BT_DIS#: U50.17 U51.3
BT_EN: Q25.1 R296.2 R297.1
BUCK_3V3_EN: Q11.1 R77.1 R141.2 R148.1 U20.4(Y) U23.27 U25.20
BUCK_3V3_PG: Q50.1 R63.1 R76.1 R101.1 R102.2 R104.2 R110.2 U22.3 U25.9
BUCK_5V_PG: Q7.1 R109.1 R177.1 R192.2 U21.2 U31.9
CAM0_I2C_SCL: J20.13 R359.2 U48.1
CAM0_I2C_SDA: J20.14 R365.2 U48.7
CAM0_MCLK: D71.2 J9.116 J20.12
CAM0_PWDN: J9.114 R425.1 U55.2
CAM0_PWDN_3V3: D72.2 J20.11 R425.2 U55.4(Y)
CAM1_I2C_SCL: J23.13 R358.2 U48.2
CAM1_I2C_SDA: J23.14 R364.2 U48.6
CAM1_MCLK: D79.2 J9.122 J23.12
CAM1_PWDN: J9.120 R426.1 U56.2
CAM1_PWDN_3V3: D80.2 J23.11 R426.2 U56.4(Y)
CAM_I2C_SCL: J9.213 R361.2 U48.3
CAM_I2C_SDA: J9.215 R362.2 U48.5
CAM_MUX_OE*: R363.1 U48.8
CAM_MUX_SEL: J9.130 R360.1 U48.10
CAN_120R_EN: Q27.2 U51.10
CAN_H: L27.1 R290.1 U7.13
CAN_H_ISO: D2.1 D95.2 J2.14 L27.4
CAN_L: L27.2 Q27.4 U7.12
CAN_L_ISO: D2.2 D68.2 J2.16 L27.3
CAN_RX: J9.143 R50.1
CAN_RXD: R50.2 U7.5
CAN_TX: J9.145 R51.1
CAN_TXD: R51.2 U7.3
CC1_1: J19.A5 R276.1
CC1_2: J18.A5 R274.1
CC2_1: J19.B5 R277.1
CC2_2: J18.B5 R275.1
CCM/AAM_DC1: C135.1 R187.2 R188.1 U31.7
CCM/AAM_DC2: C134.1 R178.1 R179.2 U25.7
CH343_V3: C133.1 R172.1 U30.6
CH343_VIO: C115.1 R167.2 R172.2 U30.1(VIO)
COMP_DC1: C125.1 C126.1 U31.5
COMP_DC2: C119.1 C123.1 U25.5
CP2102_VIO: C294.1 C295.1 R420.1 R421.1 R422.1 U54.5 U54.6
CSI0_CLK_N: D74.2 J9.10 J20.8
CSI0_CLK_P: D73.2 J9.12 J20.9
CSI0_D0_N: D78.2 J9.4 J20.2
CSI0_D0_P: D77.2 J9.6 J20.3
CSI0_D1_N: D76.2 J9.16 J20.5
CSI0_D1_P: D75.2 J9.18 J20.6
CSI1_CLK_N: J9.9 TP42.1(TP)
CSI1_CLK_P: J9.11 TP27.1(TP)
CSI1_D0_N: J9.3 TP41.1(TP)
CSI1_D0_P: J9.5 TP26.1(TP)
CSI1_D1_N: J9.15 TP43.1(TP)
CSI1_D1_P: J9.17 TP28.1(TP)
CSI2_CLK_N: D82.2 J9.28 J23.8
CSI2_CLK_P: D81.2 J9.30 J23.9
CSI2_D0_N: D86.2 J9.22 J23.2
CSI2_D0_P: D85.2 J9.24 J23.3
CSI2_D1_N: D84.2 J9.34 J23.5
CSI2_D1_P: D83.2 J9.36 J23.6
CSI3_CLK_N: J9.27 TP45.1(TP)
CSI3_CLK_P: J9.29 TP30.1(TP)
CSI3_D0_N: J9.21 TP44.1(TP)
CSI3_D0_P: J9.23 TP29.1(TP)
CSI3_D1_N: J9.33 TP36.1(TP)
CSI3_D1_P: J9.35 TP31.1(TP)
CSI4_CLK_N: J9.52 TP10.1(TP)
CSI4_CLK_P: J9.54 TP20.1(TP)
CSI4_D0_N: J9.46 TP9.1(TP)
CSI4_D0_P: J9.48 TP19.1(TP)
CSI4_D1_N: J9.58 TP11.1(TP)
CSI4_D1_P: J9.60 TP21.1(TP)
CSI4_D2_N: J9.40 TP8.1(TP)
CSI4_D2_P: J9.42 TP18.1(TP)
CSI4_D3_N: J9.64 TP12.1(TP)
CSI4_D3_P: J9.66 TP22.1(TP)
CSI5_CLK_N: J9.76 TP14.1(TP)
CSI5_CLK_P: J9.78 TP24.1(TP)
CSI5_D0_N: J9.70 TP13.1(TP)
CSI5_D0_P: J9.72 TP23.1(TP)
CSI5_D1_N: J9.82 TP15.1(TP)
CSI5_D1_P: J9.84 TP25.1(TP)
DCIN_SENSE: C249.1 R377.2 R378.1 U49.2
DCJ_IN: G2.2 J17.1 L14.1 R227.1 R238.1
DEVICE_RESET: D67.2(C) R53.1 R73.2 R210.1 U13.2
DI_1_GPIO01: C24.1 J9.118 Q5.4 R47.2
DI_2_GPIO09: C23.1 J9.211 Q4.4 R46.2
DI_3_GPIO11: C22.1 J9.216 Q3.4 R45.2
DI_4_GPIO13: C21.1 J9.228 Q2.4 R44.2
DI_12V_1: J2.1 R9.1 R14.1
DI_12V_2: J2.3 R8.1 R13.1
DI_12V_3: J2.5 R7.1 R12.1
DI_12V_4: J2.7 R6.1 R11.1
DISCHG_1V8_SYS: Q50.3 Q51.1 R442.2
DISCHG_3V3_SYS: Q10.1 Q11.3 R124.2
DO_1_GPIO: J9.193 R354.1
DO_2_GPIO: J9.195 R355.1
DO_3_GPIO: J9.197 R356.1
DO_4_GPIO: J9.199 R357.1
DO_40V_1: F2.2 J2.9
DO_40V_2: F3.2 J2.11
DO_40V_3: F4.2 J2.13
DO_40V_4: F5.2 J2.15
DP0_HPD: J9.88 R447.2 R448.1 TP16.1(TP)
EEP_EECLK: R221.2 U37.4
EEP_EECS: R231.1 R234.2 U37.5
EEP_EEDIO: R223.2 R229.1 U37.3
EN_1V2: R77.2 U14.5
EN_DC1: C130.1 R181.1 R185.2 U31.20
ETH_LED0: D97.2 J14.12 R235.2
ETH_LED1: D96.2 J14.14(YEL-) R232.2
FAN_PWM: J9.230 R86.1 U17.4
FAN_PWM_Q*: J7.4 R90.2
FAN_TACH: J9.208 Q6.2(S) R103.2
FAN_TACH_CON: J7.3 Q6.3 R93.2
FB_0.8V_DC1: C124.2 R173.2 R174.1 U31.6
FB_0.8V_DC2: C131.2 R180.1 R186.2 U25.6
FORCE_OFF*: C87.1 D29.1 D32.2(C) R118.1 R119.2 R126.2 U23.12
FORCE_RECOVERY*: C200.1 D43.2 D54.2 J9.214 SW2.1
FREQ_DC1: R190.1 U31.8
FREQ_DC2: R182.1 U25.8
GANG_PWR: R52.1 U8.32
GBE_LED_ACT: J9.194 R253.1
GBE_LED_LINK: J9.188 R252.1
GBE_MDI0_N: J9.184 J13.2 U61.4 U61.7
GBE_MDI0_P: J9.186 J13.1 U61.5 U61.6(NC4)
GBE_MDI1_N: J9.190 J13.6 U61.1 U61.10
GBE_MDI1_P: J9.192 J13.3 U61.2 U61.9
GBE_MDI2_N: J9.196 J13.8 U60.4 U60.7
GBE_MDI2_P: J9.198 J13.7 U60.5 U60.6(NC4)
GBE_MDI3_N: J9.202 J13.10 U60.1 U60.10
GBE_MDI3_P: J9.204 J13.9 U60.2 U60.9
GND_RS232/422/485: C205.1 C210.1 C213.1 C215.2 D4.1 D5.1 D6.1 D7.1 D8.1 D9.1 J1.5 R280.2 R282.2 R300.2 SW3.5(B4) SW3.6 SW3.7 SW3.8 U42.7 U42.41 U44.9 U44.15
GPIO0: R234.1 R235.1 U38.38
GPIO1: R223.1 R232.1 U38.37
GPIO2: R221.1 U38.36
GREEN_LED: D98.2 J13.16 R252.2
HDMI_CEC: D47.1 J9.94 Q20.2(S) R254.2
HDMI_CEC_CON: C193.1 D52.2 J16.13 L23.2
HDMI_CEC_Q: D47.2(C) D48.2(C) L23.1 Q20.3
HDMI_DDC_SCL: J9.100 Q22.2(S) R256.2
HDMI_DDC_SCL_5V0: C195.1 D53.2 J16.15 Q22.3 R269.2
HDMI_DDC_SDA: J9.98 Q21.2(S) R255.2
HDMI_DDC_SDA_5V0: C194.1 D51.2 J16.16 Q21.3 R268.2
HDMI_HPD: J9.96 Q18.3 R242.2
HDMI_HPD_CON: C196.1 C197.1 D49.2 J16.19 R259.2
HDMI_TX0_N: C172.1 J9.75
HDMI_TX0_P: C173.1 J9.77
HDMI_TX1_N: C174.1 J9.69
HDMI_TX1_P: C175.1 J9.71
HDMI_TX2_N: C176.1 J9.63
HDMI_TX2_P: C177.1 J9.65
HDMI_TXC_CON_LC_N: C170.2 C185.2 L16.1 R244.2
HDMI_TXC_CON_LC_P: C171.2 C185.1 L17.1 R245.2
HDMI_TXC_CON_N: J16.12 R260.2 U40.5 U40.6(NC4)
HDMI_TXC_CON_P: J16.10 R261.2 U40.4 U40.7
HDMI_TXC_CON_R_N: C191.2 L16.2 R260.1
HDMI_TXC_CON_R_P: C191.1 L17.2 R261.1
HDMI_TXC_N: C170.1 J9.81
HDMI_TXC_P: C171.1 J9.83
HDMI_TXD0_CON_LC_N: C172.2 C187.2 L18.1 R246.2
HDMI_TXD0_CON_LC_P: C173.2 C187.1 L19.1 R247.2
HDMI_TXD0_CON_N: J16.9 R262.2 U40.2 U40.9
HDMI_TXD0_CON_P: J16.7 R263.2 U40.1 U40.10
HDMI_TXD0_CON_R_N: C190.2 L18.2 R262.1
HDMI_TXD0_CON_R_P: C190.1 L19.2 R263.1
HDMI_TXD1_CON_LC_N: C174.2 C186.2 L20.1 R248.2
HDMI_TXD1_CON_LC_P: C175.2 C186.1 L15.1 R249.2
HDMI_TXD1_CON_N: J16.6 R264.2 U39.5 U39.6(NC4)
HDMI_TXD1_CON_P: J16.4 R265.2 U39.4 U39.7
HDMI_TXD1_CON_R_N: C189.2 L20.2 R264.1
HDMI_TXD1_CON_R_P: C189.1 L15.2 R265.1
HDMI_TXD2_CON_LC_N: C176.2 C188.2 L22.1 R250.2
HDMI_TXD2_CON_LC_P: C177.2 C188.1 L21.1 R251.2
HDMI_TXD2_CON_N: J16.3 R266.2 U39.2 U39.9
HDMI_TXD2_CON_P: J16.1 R267.2 U39.1 U39.10
HDMI_TXD2_CON_R_N: C192.2 L22.2 R266.1
HDMI_TXD2_CON_R_P: C192.1 L21.2 R267.1
HST_WAKE_BT: U50.10 U51.4
HST_WAKE_WL: U50.19 U51.2
HUB_HSD1_N: L6.4 R29.1 U8.2
HUB_HSD1_P: L6.1 R36.1 U8.1
HUB_HSD2_N: L7.4 R30.1 U8.9
HUB_HSD2_P: L7.1 R37.1 U8.8
HUB_HSD3_N: L1.1 R10.1 U8.18
HUB_HSD3_P: L1.4 R15.1 U8.17
HUB_HSD4_N: L29.3 R302.2 U8.25
HUB_HSD4_P: L29.2 R303.2 U8.24
HUB_PRT_CTL1: R41.1 U8.36
HUB_PRT_CTL2: R42.1 U8.35
HUB_PRT_CTL3: R283.2 R289.1 U8.34 U41.4
HUB_RBIAS: R43.1 U8.56
HUB_RST: C40.1 R53.2 R55.2 R57.2 R285.1 U8.42
HUB_SPI_CE: R69.2 R396.1 U8.41 U11.1 U12.1
HUB_SPI_CLK: R60.1 U8.38 U11.6 U12.6
HUB_SPI_HOLD: R62.2 U11.7 U12.7
HUB_SPI_MISO: R72.1 R395.2 U8.40 U11.2 U12.2
HUB_SPI_MOSI: R61.2 U8.39 U11.5 U12.5
HUB_SPI_WP: R75.2 U11.3(W\P\_IO2) U12.3(W\P\_IO2)
HUB_SSRX1_N: L5.1 R31.1 U8.7
HUB_SSRX1_P: L5.4 R28.1 U8.6
HUB_SSRX2_N: L4.1 R32.1 U8.14
HUB_SSRX2_P: L4.4 R33.1 U8.13
HUB_SSRX3_N: L2.1 R18.1 U8.23
HUB_SSRX3_P: L2.4 R16.1 U8.22
HUB_SSRX4_N: C43.2 U8.30
HUB_SSRX4_P: C44.2 U8.29
HUB_SSTX1_C_N: C6.2 L8.1 R38.1
HUB_SSTX1_C_P: C7.2 L8.4 R39.1
HUB_SSTX1_N: C6.1 U8.4
HUB_SSTX1_P: C7.1 U8.3
HUB_SSTX2_C_N: C8.2 L9.1 R34.1
HUB_SSTX2_C_P: C9.2 L9.4 R35.1
HUB_SSTX2_N: C8.1 U8.11
HUB_SSTX2_P: C9.1 U8.10
HUB_SSTX3_C_N: C4.2 L3.1 R19.1
HUB_SSTX3_C_P: C5.2 L3.4 R17.1
HUB_SSTX3_N: C4.1 U8.20
HUB_SSTX3_P: C5.1 U8.19
HUB_SSTX4_N: C216.2 U8.27
HUB_SSTX4_P: C217.2 U8.26
HUB_TEST: R49.1 U8.52
HUB_USBOC1/2: R40.1 U5.3
HUB_USBOC3: R283.1 U41.3
HUB_XTALI: C17.1 U8.54 X1.3
HUB_XTALO: R48.2 U8.53(XTALO)
I2C0_A0: R379.1 R380.2 U51.18
I2C0_A1: R383.1 R384.2 U51.23
I2C0_A2: R381.1 R385.2 U51.24
I2C0_INT: R382.2 R386.2 U51.22
I2C0_INT_GPIO12: J9.218 U58.4
I2C0_INT_GPIO12_3V3: R386.1 U58.11
I2C0_SCL: J9.185 R205.2 U51.19
I2C0_SDA: J9.187 R206.2 U51.20
I2C1_SCL: J5.30 J9.189 R203.2
I2C1_SDA: J5.32 J9.191 R204.2
